# KiCad board ULK.kicad_pcb
title: ULK_ulp; date: 2025-09-11; rev: 1.0.2; company: GOGA_OO
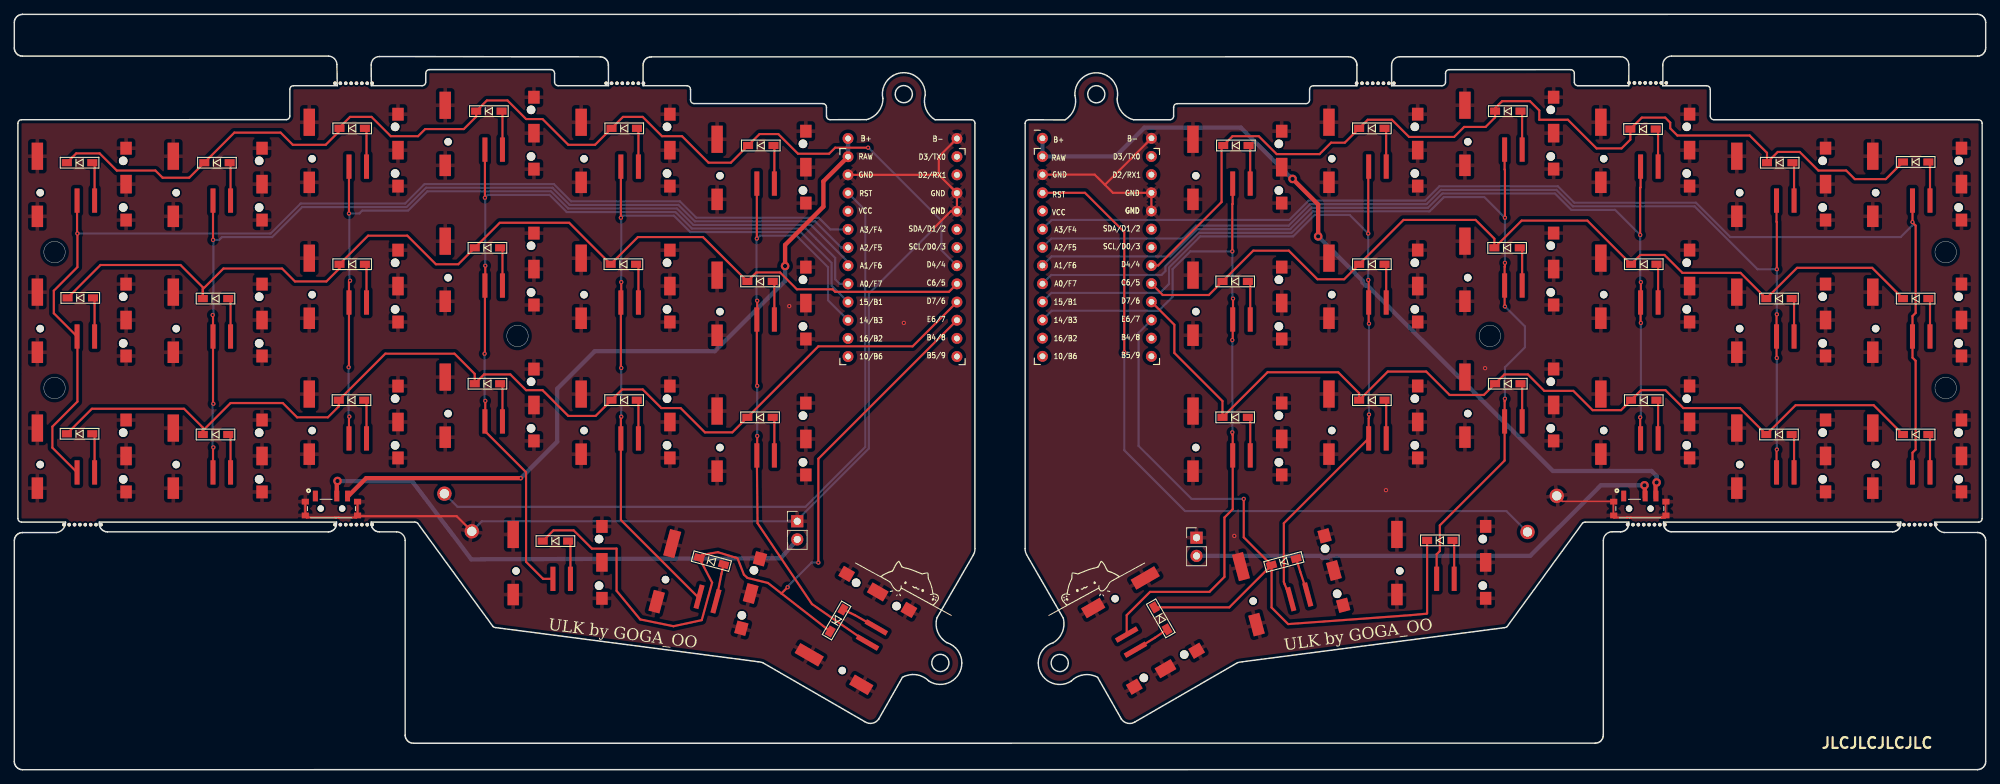
[diagram p0: board, top side]
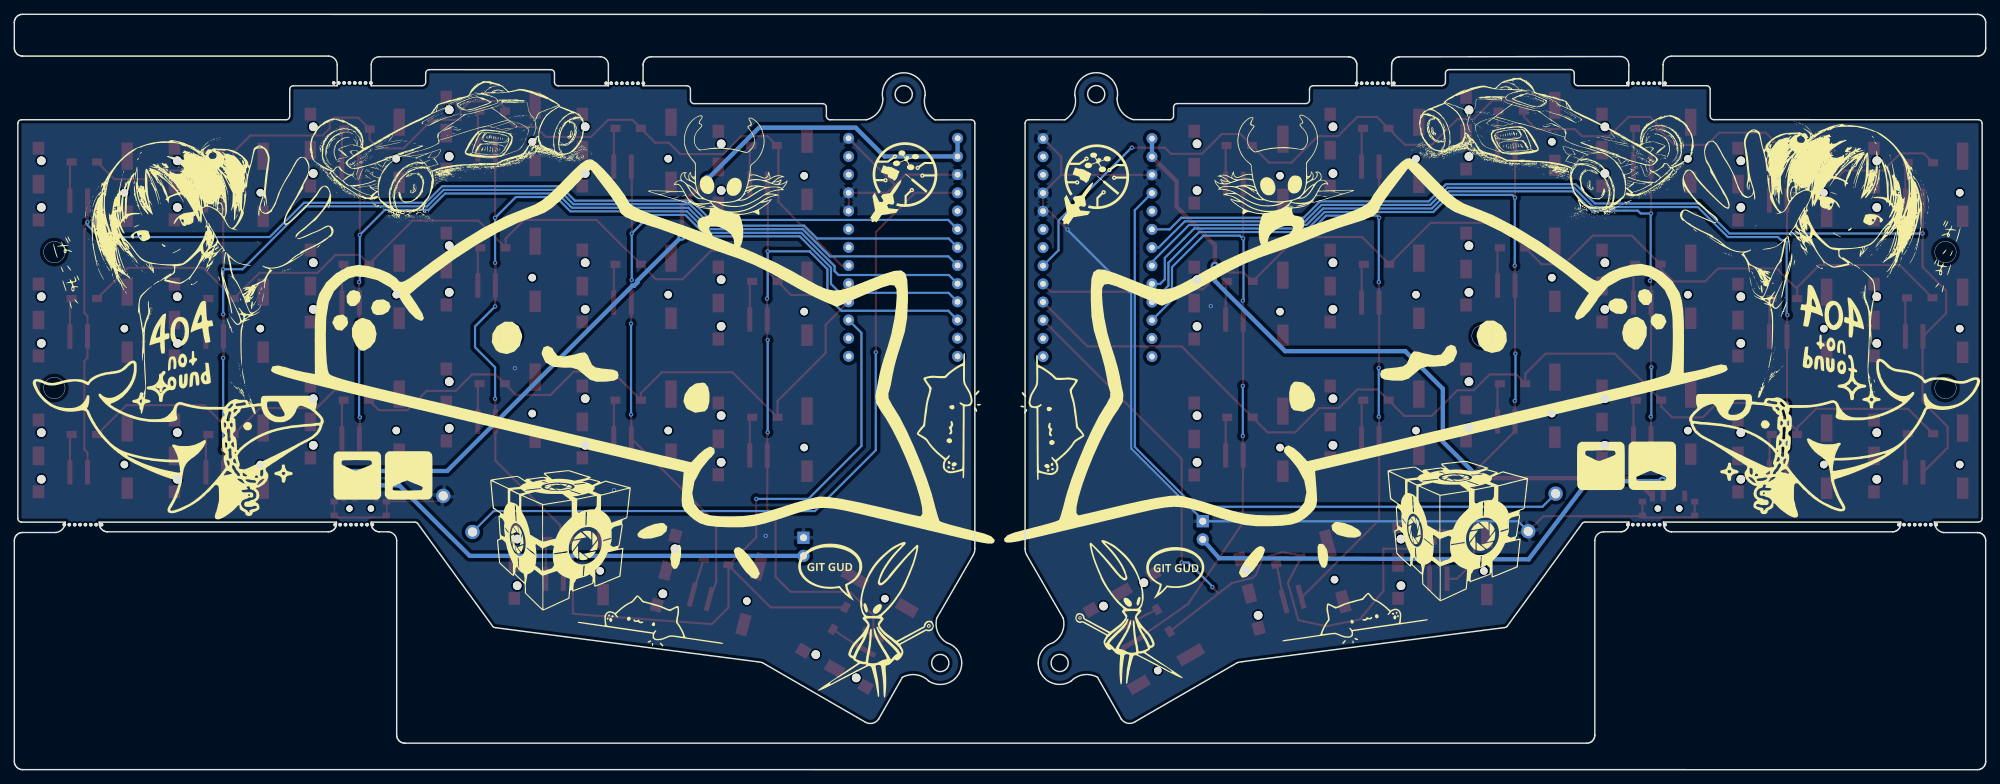
[diagram p1: board, bottom side, seen from below]

Outline 275.51 x 105.6 mm; copper layers: Top, Bottom. Coordinates in mm from the lower left corner of the outline.
Outline path: circle c5.62,72.36 r1.5 ; circle c5.62,53.36 r1.5 ; circle c70.32,60.64 r1.5 ; circle c124.31,94.44 r1.2 ; circle c129.42,14.92 r1.2 ; circle c146.1,14.91 r1.2 ; circle c151.21,94.42 r1.2 ; circle c206.22,60.64 r1.5 ; circle c269.92,72.36 r1.5 ; circle c269.92,53.36 r1.5 ; 1,34.62 arc(0.65,34.76) 0.5,35.12 0.5,90.36 arc(0.65,90.72) 1,90.86 38,90.87 arc(38.36,91.01) 38.5,91.37 38.5,95.12 arc(38.65,95.47) 39,95.61 45.13,95.61 45.08,98.56 arc(44.73,99.4) 43.89,99.75 1.14,99.75 0.92,99.77 0.7,99.84 0.51,99.94 0.34,100.08 0.19,100.25 0.09,100.45 0.02,100.66 0,100.88 0,104.45 0.02,104.67 0.09,104.88 0.19,105.08 0.33,105.25 0.5,105.39 0.7,105.5 0.91,105.56 1.13,105.59 1.14,105.59 274.37,105.6 274.59,105.57 274.8,105.51 275,105.41 275.17,105.27 275.31,105.09 275.42,104.9 275.48,104.69 275.51,104.46 275.51,100.9 275.49,100.68 275.42,100.46 275.32,100.27 275.18,100.1 275.01,99.95 274.81,99.85 274.6,99.78 274.38,99.76 231.62,99.76 arc(230.74,99.39) 230.38,98.53 ; 1,34.61 7.17,34.61 ; 7.17,34.61 arc(6.8,33.64) 5.89,33.15 1.13,33.15 0.91,33.13 0.7,33.06 0.5,32.95 0.33,32.81 0.19,32.64 0.09,32.45 0.02,32.23 0,32.01 0,1.13 0.02,0.91 0.09,0.7 0.19,0.5 0.34,0.33 0.51,0.19 0.7,0.09 0.92,0.02 1.14,0 274.37,0.01 274.38,0.01 274.6,0.03 274.81,0.1 275.01,0.2 275.18,0.34 275.32,0.52 275.42,0.71 275.49,0.93 275.51,1.15 275.51,32.03 275.48,32.25 275.42,32.46 275.31,32.66 275.17,32.83 275,32.97 274.8,33.07 274.59,33.14 274.37,33.16 269.7,33.16 arc(268.77,33.63) 268.39,34.61 ; 51.02,99.69 arc(50.19,99.35) 49.88,98.51 49.89,95.62 57,95.62 arc(57.35,95.76) 57.5,96.12 57.5,97.36 ; 55.76,3.7 55.54,3.72 55.33,3.79 55.13,3.89 54.96,4.03 54.82,4.2 54.71,4.4 54.65,4.61 54.62,4.83 54.62,32.02 arc(54.26,32.89) 53.39,33.25 51.01,33.25 50.79,33.27 50.58,33.34 50.38,33.44 50.21,33.58 50.07,33.75 49.96,33.95 49.9,34.16 49.88,34.38 49.88,34.39 49.87,34.61 56,34.61 ; 55.77,3.7 220.93,3.71 220.94,3.71 221.16,3.73 221.37,3.8 221.57,3.9 221.74,4.05 221.88,4.22 221.98,4.41 222.05,4.63 222.07,4.85 222.07,32.02 arc(222.42,32.88) 223.31,33.26 224.5,33.26 224.72,33.28 224.94,33.35 225.13,33.45 225.3,33.59 225.44,33.77 225.55,33.96 225.61,34.18 225.63,34.4 225.64,34.61 219.52,34.61 ; 56.36,34.47 66.9,20.01 ; 57.5,97.37 arc(57.65,97.72) 58,97.87 75,97.87 arc(75.36,97.72) 75.5,97.37 75.5,96.12 arc(75.65,95.76) 76,95.62 ; 67.25,19.86 103.92,15.09 ; 76,95.61 83.04,95.61 83.03,98.51 83.03,98.52 83,98.74 82.94,98.95 82.83,99.15 82.69,99.32 82.52,99.46 82.32,99.56 82.11,99.63 81.89,99.65 51.01,99.69 ; 186.49,99.65 89.01,99.65 89.01,99.65 88.78,99.63 88.57,99.56 88.38,99.46 88.21,99.31 88.06,99.14 87.96,98.95 87.9,98.73 87.88,98.51 87.88,95.62 94,95.62 ; 94,95.62 arc(94.35,95.47) 94.5,95.12 94.5,93.62 arc(94.65,93.26) 95,93.12 ; 104.58,14.97 118.87,6.7 ; 113,93.12 arc(113.35,92.97) 113.5,92.62 113.5,91.36 arc(113.65,91.01) 114,90.86 119.1,90.87 arc(120.74,91.94) 121.39,93.79 arc(121.57,95.65) 122.81,97.04 arc(125.87,97) 127.31,94.3 arc(127.41,92.34) 128.69,90.85 133.75,90.86 ; 113,93.12 95,93.12 ; 120.8,7.08 124.12,12.92 arc(126.05,13.28) 127.8,12.39 arc(130.86,12.29) 132.42,14.92 arc(131.84,16.69) 130.32,17.76 arc(129.04,19.26) 128.94,21.21 134.03,30.02 ; 133.75,90.87 arc(134.11,90.72) 134.25,90.37 134.25,30.89 ; 141.27,90.36 arc(141.41,90.71) 141.77,90.86 146.83,90.83 arc(148.11,92.33) 148.21,94.28 arc(149.65,96.98) 152.71,97.02 arc(153.95,95.63) 154.12,93.78 arc(154.78,91.93) 156.42,90.86 ; 141.27,90.36 141.27,30.88 ; 141.49,30.01 146.58,21.21 arc(146.48,19.25) 145.2,17.76 arc(143.68,16.68) 143.1,14.91 arc(144.66,12.28) 147.72,12.38 arc(149.47,13.27) 151.4,12.91 154.72,7.08 ; 156.42,90.85 161.52,90.86 arc(161.87,91) 162.02,91.36 162.02,92.61 ; 162.02,92.61 arc(162.16,92.96) 162.52,93.11 180.52,93.11 ; 170.94,14.96 156.65,6.7 ; 181.02,93.61 181.02,95.11 ; 181.52,95.61 187.64,95.61 187.63,98.52 187.63,98.53 187.61,98.75 187.54,98.96 187.44,99.16 187.3,99.33 187.12,99.47 186.93,99.57 186.72,99.64 186.49,99.66 ; 192.48,95.61 192.48,98.52 arc(192.82,99.32) 193.62,99.66 224.49,99.66 arc(225.29,99.35) 225.63,98.56 225.63,95.61 218.52,95.61 arc(218.16,95.75) 218.02,96.11 ; 192.48,95.61 199.52,95.61 arc(199.87,95.75) 200.02,96.11 ; 200.02,96.11 200.02,97.36 arc(200.16,97.71) 200.52,97.86 217.52,97.86 arc(217.87,97.71) 218.02,97.36 218.02,96.11 ; 208.27,19.86 171.6,15.09 ; 219.16,34.46 208.62,20 ; 230.38,98.52 230.39,95.61 236.52,95.61 ; 236.52,95.61 arc(236.87,95.46) 237.02,95.11 237.02,91.36 ; 237.52,90.86 274.52,90.86 ; 237.52,90.86 arc(237.17,91) 237.02,91.36 ; 274.52,34.61 268.39,34.61 ; 275.02,90.36 275.02,35.11 ; 11.88,34.39 11.88,34.38 11.9,34.16 11.96,33.95 12.07,33.75 12.21,33.58 12.38,33.44 12.58,33.34 12.79,33.27 13.01,33.25 43.89,33.25 44.12,33.27 44.33,33.34 44.52,33.45 44.69,33.59 44.83,33.76 44.94,33.95 45,34.17 45.02,34.39 45.03,34.61 11.88,34.61 11.88,34.39 ; 230.48,34.4 230.48,34.39 230.51,34.17 230.57,33.96 230.68,33.76 230.82,33.59 230.99,33.45 231.19,33.34 231.4,33.28 231.62,33.26 262.5,33.26 262.72,33.28 262.94,33.35 263.13,33.45 263.3,33.59 263.44,33.77 263.55,33.96 263.61,34.18 263.63,34.4 263.64,34.61 230.49,34.61 230.48,34.4
Stack: Top 0.035mm / dielectric 1.51mm FR4 er 4.5 / Bottom 0.035mm

## Placement (name value [footprint] x y rotation side)
D1  D  [D3_SMD_v2]  9.12 84.86 0 top
D2  D  [D3_SMD_v2]  28.32 84.86 0 top
D3  D  [D3_SMD_v2]  47.22 89.66 0 top
D4  D  [D3_SMD_v2]  66.32 92.06 0 top
D5  D  [D3_SMD_v2]  85.24 89.66 0 top
D6  D  [D3_SMD_v2]  104.32 87.26 0 top
D7  D  [D3_SMD_v2]  9.22 65.96 0 top
D8  D  [D3_SMD_v2]  28.12 65.86 0 top
D9  D  [D3_SMD_v2]  47.22 70.66 0 top
D10  D  [D3_SMD_v2]  66.12 72.96 0 top
D11  D  [D3_SMD_v2]  85.12 70.66 0 top
D12  D  [D3_SMD_v2]  104.22 68.25 0 top
D13  D  [D3_SMD_v2]  9.12 46.95 0 top
D14  D  [D3_SMD_v2]  28.12 46.86 0 top
D15  D  [D3_SMD_v2]  47.12 51.66 0 top
D16  D  [D3_SMD_v2]  66.12 53.96 0 top
D17  D  [D3_SMD_v2]  85.22 51.66 0 top
D18  D  [D3_SMD_v2]  104.22 49.26 0 top
D19  D  [D3_SMD_v2]  75.62 31.95 0 top
D20  D  [D3_SMD_v2]  97.42 29.16 345 top
D21  D  [D3_SMD_v2]  114.92 20.86 60 top
D22  D  [D3_SMD_v2]  265.72 84.96 0 top
D23  D  [D3_SMD_v2]  246.72 84.86 0 top
D24  D  [D3_SMD_v2]  227.62 89.56 0 top
D25  D  [D3_SMD_v2]  208.72 92.06 0 top
D26  D  [D3_SMD_v2]  189.72 89.66 0 top
D27  D  [D3_SMD_v2]  170.72 87.26 0 top
D28  D  [D3_SMD_v2]  265.72 65.86 0 top
D29  D  [D3_SMD_v2]  246.62 65.86 0 top
D30  D  [D3_SMD_v2]  227.72 70.66 0 top
D31  D  [D3_SMD_v2]  208.62 72.96 0 top
D32  D  [D3_SMD_v2]  189.72 70.66 0 top
D33  D  [D3_SMD_v2]  170.62 68.25 0 top
D34  D  [D3_SMD_v2]  265.72 46.86 0 top
D35  D  [D3_SMD_v2]  246.62 46.86 0 top
D36  D  [D3_SMD_v2]  227.72 51.66 0 top
D37  D  [D3_SMD_v2]  208.72 53.96 0 top
D38  D  [D3_SMD_v2]  189.72 51.66 0 top
D39  D  [D3_SMD_v2]  170.62 49.26 0 top
D40  D  [D3_SMD_v2]  199.22 32.06 0 top
D41  D  [D3_SMD_v2]  177.42 29.06 15 top
D42  D  [D3_SMD_v2]  160.22 21.16 300 top
G***  LOGO  [15mm bongo1_1]  125.22 26.31 318 top
G***#2  LOGO  [15mm bongo1]  150.3 26.3 42 top
G***#3  LOGO  [404]  250.37 69.56 180 bottom
G***#4  LOGO  [404_1]  22.68 71.81 180 bottom
G***#5  LOGO  [b17_1]  130.22 48.7 283 bottom
G***#6  LOGO  [100b]  189.1 58.07 180 bottom
G***#7  LOGO  [cube31]  73.42 33.45 180 bottom
G***#8  LOGO  [cube31]  198.82 32.16 180 bottom
G***#9  LOGO  [logog]  150.82 82.02 180 bottom
G***#10  LOGO  [logog]  124.02 81.72 180 bottom
G***#11  LOGO  [20mm bongo1_1]  87.96 21.41 185 bottom
G***#12  LOGO  [b17]  145.12 48.95 77 bottom
G***#13  LOGO  [w41]  21.27 46.06 180 bottom
G***#14  LOGO  [20mm bongo1]  186.77 21.06 175 bottom
G***#15  LOGO  [tm54_1]  59.82 86.31 180 bottom
G***#16  LOGO  [block18]  223.97 41.11 180 bottom
G***#17  LOGO  [tm54]  212.79 85.85 180 bottom
G***#18  LOGO  [h33]  98.27 82.5 180 bottom
G***#19  LOGO  [23g]  119.06 22.58 180 bottom
G***#20  LOGO  [g23m]  156.37 20.91 180 bottom
G***#21  LOGO  [100b_1]  86.59 58.22 180 bottom
G***#22  LOGO  [h33_1]  177.48 82.43 180 bottom
G***#23  LOGO  [block18]  50.17 42.45 180 bottom
G***#24  LOGO  [w41_1]  253.12 45.81 180 bottom
mouse-bite-2mm-slot  VAL**  [mouse-bite-2mm-slot]  9.22 34.26 0 top
mouse-bite-2mm-slot#2  VAL**  [mouse-bite-2mm-slot]  265.62 34.26 0 top
mouse-bite-2mm-slot#3  VAL**  [mouse-bite-2mm-slot]  47.12 34.26 0 top
mouse-bite-2mm-slot#4  VAL**  [mouse-bite-2mm-slot]  227.77 34.26 0 top
mouse-bite-2mm-slot#5  VAL**  [mouse-bite-2mm-slot]  189.9 95.96 0 top
mouse-bite-2mm-slot#6  VAL**  [mouse-bite-2mm-slot]  227.97 96.01 0 top
mouse-bite-2mm-slot#7  VAL**  [mouse-bite-2mm-slot]  85.02 95.96 0 top
mouse-bite-2mm-slot#8  VAL**  [mouse-bite-2mm-slot]  47.12 95.96 0 top
RSW1  SW_RESET  [ResetSW_1side]  62.02 35.95 126 top
RSW2  SW_RESET  [ResetSW_1side]  213.52 35.76 231 top
SW1  SW_PUSH  [Cherry_ULP_SMD]  9.42 81.86 0 top
SW2  SW_PUSH  [Cherry_ULP_SMD]  28.42 81.86 0 top
SW3  SW_PUSH  [Cherry_ULP_SMD]  47.42 86.61 0 top
SW4  SW_PUSH  [Cherry_ULP_SMD]  66.42 88.98 0 top
SW5  SW_PUSH  [Cherry_ULP_SMD]  85.42 86.61 0 top
SW6  SW_PUSH  [Cherry_ULP_SMD]  104.42 84.23 0 top
SW7  SW_PUSH  [Cherry_ULP_SMD]  9.42 62.86 0 top
SW8  SW_PUSH  [Cherry_ULP_SMD]  28.42 62.86 0 top
SW9  SW_PUSH  [Cherry_ULP_SMD]  47.42 67.61 0 top
SW10  SW_PUSH  [Cherry_ULP_SMD]  66.42 69.98 0 top
SW11  SW_PUSH  [Cherry_ULP_SMD]  85.42 67.61 0 top
SW12  SW_PUSH  [Cherry_ULP_SMD]  104.42 65.23 0 top
SW13  SW_PUSH  [Cherry_ULP_SMD]  9.42 43.86 0 top
SW14  SW_PUSH  [Cherry_ULP_SMD]  28.42 43.86 0 top
SW15  SW_PUSH  [Cherry_ULP_SMD]  47.42 48.61 0 top
SW16  SW_PUSH  [Cherry_ULP_SMD]  66.42 50.98 0 top
SW17  SW_PUSH  [Cherry_ULP_SMD]  85.42 48.61 0 top
SW18  SW_PUSH  [Cherry_ULP_SMD]  104.42 46.23 0 top
SW19  SW_PUSH  [Cherry_ULP_SMD]  75.92 28.98 0 top
SW20  SW_PUSH  [Cherry_ULP_SMD]  96.92 26.23 345 top
SW21  SW_PUSH  [Cherry_ULP_SMD]  117.57 19.48 60 top
SW22  SW_PUSH  [Cherry_ULP_SMD]  265.93 81.86 0 top
SW23  SW_PUSH  [Cherry_ULP_SMD]  246.93 81.86 0 top
SW24  SW_PUSH  [Cherry_ULP_SMD]  227.93 86.61 0 top
SW25  SW_PUSH  [Cherry_ULP_SMD]  208.93 88.99 0 top
SW26  SW_PUSH  [Cherry_ULP_SMD]  189.93 86.61 0 top
SW27  SW_PUSH  [Cherry_ULP_SMD]  170.92 84.23 0 top
SW28  SW_PUSH  [Cherry_ULP_SMD]  265.93 62.86 0 top
SW29  SW_PUSH  [Cherry_ULP_SMD]  246.93 62.86 0 top
SW30  SW_PUSH  [Cherry_ULP_SMD]  227.93 67.61 0 top
SW31  SW_PUSH  [Cherry_ULP_SMD]  208.93 69.99 0 top
SW32  SW_PUSH  [Cherry_ULP_SMD]  189.93 67.61 0 top
SW33  SW_PUSH  [Cherry_ULP_SMD]  170.93 65.24 0 top
SW34  SW_PUSH  [Cherry_ULP_SMD]  265.93 43.86 0 top
SW35  SW_PUSH  [Cherry_ULP_SMD]  246.93 43.86 0 top
SW36  SW_PUSH  [Cherry_ULP_SMD]  227.93 48.61 0 top
SW37  SW_PUSH  [Cherry_ULP_SMD]  208.93 50.98 0 top
SW38  SW_PUSH  [Cherry_ULP_SMD]  189.93 48.61 0 top
SW39  SW_PUSH  [Cherry_ULP_SMD]  170.93 46.23 0 top
SW40  SW_PUSH  [Cherry_ULP_SMD]  199.43 28.98 0 top
SW41  SW_PUSH  [Cherry_ULP_SMD]  178.43 26.23 15 top
SW42  SW_PUSH  [Cherry_ULP_SMD]  157.78 19.48 300 top
SW43  PCM12SMTR  [SW_PCM12SMTR]  44.32 36.51 0 top
SW44  PCM12SMTR  [SW_PCM12SMTR]  227.17 36.51 0 top
U1  ProMicro  [ProMicro_v3]  124.12 71.22 0 top
U2  ProMicro  [ProMicro_v3]  151.3 71.25 0 top
U3  ~  [PinHeader_1x02_P2.54mm_Vertical]  109.42 34.73 0 top
U5  ~  [PinHeader_1x02_P2.54mm_Vertical]  165.22 32.43 0 top

## Library data of the parts
D1-D42 = -: ki_fp_filters: TO-???* *_Diode_* *SingleDiode* D_*
SW43 SW44 = -: MF: C&K; Description_1: Switch,Slide,Ultra-Mini,SPDT,ON-ON,300mA,6VDC,Surface Mount,R/A,Gull Wing | C&K PCM12SMTR; Package: None; Price: None; Check_prices: https://www.snapeda.com/parts/PCM12SMTR/C%2526K/view-part/?ref=eda; STANDARD: Manufacturer Recommendation; SnapEDA_Link: https://www.snapeda.com/parts/PCM12SMTR/C%2526K/view-part/?ref=snap; Availability: In Stock; MANUFACTURER: C&K

## Footprints (pads in the part's own frame, mm; a bottom-side part is the same pattern mirrored in y, then rotated)
Cherry_ULP_SMD
  round 1.05 hole 1.05 unplated: (-5.8,-1.2)
  round 1.2 hole 1.2 unplated: (5.8,3.26) (5.8,-3.26)
  rect 0.7x3.4 smd: 1(-0.65,-2.3) 2(1.8,-2.3)
  rect 1.6x3.8 smd: 3(-6.2,3.9)
  rect 1.6x3 smd: 3(-6.2,-4.5)
  rect 1.6x1.8 smd: 3(6.2,5.025) 3(6.2,-5.025)
  rect 1.6x2.6 smd: 3(6.2,0)
D3_SMD_v2
  rect 1.4x1 smd: 1(-1.775,0) 2(1.775,0)
mouse-bite-2mm-slot
  round 0.5 hole 0.5 unplated: (-2.3,0) (-1.55,0) (-0.8,0) (-0.05,0) (0.7,0) (1.45,0) (2.2,0) (2.9,0)
PinHeader_1x02_P2.54mm_Vertical
  rect 1.7x1.7 hole 1: 1(0,0)
  round 1.7 hole 1: 2(0,-2.54)
ProMicro_v3
  round 1.524 hole 0.813: 1(7.611,14.478) 2(7.611,11.938) 3(7.611,17.018) 3(7.611,9.398) 4(7.611,6.858) 5(7.611,4.318) 6(7.611,1.778) 7(7.611,-0.762) 8(7.611,-3.302) 9(7.611,-5.842) 10(7.611,-8.382) 11(7.611,-10.922) 12(7.611,-13.462) 13(-7.609,-13.462) 14(-7.609,-10.922) 15(-7.609,-8.382) 16(-7.609,-5.842) 17(-7.609,-3.302) 18(-7.609,-0.762) 19(-7.609,1.778) 20(-7.609,4.318) 21(-7.609,6.858) 22(-7.609,9.398) 23(-7.609,11.938) 24(-7.609,17.018) 24(-7.609,14.478)
ResetSW_1side
  round 2 hole 1.3: 1(3.25,0) 2(-3.25,0)
SW_PCM12SMTR
  round 0.9 hole 0.9 unplated: (-1.5,0) (1.5,0)
  rect 0.7x1.5 smd: 1(-2.25,1.75) 2(0.75,1.75) 3(2.25,1.75)
  rect 1x0.8 smd: S1(-3.65,0.965) S2(-3.65,-0.965) S3(3.65,-0.965) S4(3.65,0.965)

## Nets
1V5: SW44.3 U2.24
+1V5: SW43.3 U1.24
GND: RSW1.2 SW1.3 SW2.3 SW3.3 SW4.3 SW5.3 SW6.3 SW7.3 SW8.3 SW9.3 SW10.3 SW11.3 SW12.3 SW13.3 SW14.3 SW15.3 SW16.3 SW17.3 SW18.3 SW19.3 SW20.3 SW21.3 SW43.S1 SW43.S2 SW43.S3 SW43.S4 U1.3 U1.4 U1.23 U3.1
GNDA: RSW2.2 SW22.3 SW23.3 SW24.3 SW25.3 SW26.3 SW27.3 SW28.3 SW29.3 SW30.3 SW31.3 SW32.3 SW33.3 SW34.3 SW35.3 SW36.3 SW37.3 SW38.3 SW39.3 SW40.3 SW41.3 SW42.3 SW44.S1 SW44.S2 SW44.S3 SW44.S4 U2.3 U2.4 U2.23 U5.1
VCC: U1.21
VDD: U2.21
col0: SW1.1 SW7.1 SW13.1 U1.20
col0_r: SW22.1 SW28.1 SW34.1 U2.20
col1: SW2.1 SW8.1 SW14.1 U1.19
col1_r: SW23.1 SW29.1 SW35.1 U2.19
col2: SW3.1 SW9.1 SW15.1 U1.18
col2_r: SW24.1 SW30.1 SW36.1 U2.18
col3: SW4.1 SW10.1 SW16.1 SW19.1 U1.17
col3_r: SW25.1 SW31.1 SW37.1 SW40.1 U2.17
col4: SW5.1 SW11.1 SW17.1 SW20.1 U1.16
col4_r: SW26.1 SW32.1 SW38.1 SW41.1 U2.16
col5: SW6.1 SW12.1 SW18.1 SW21.1 U1.15
col5_r: SW27.1 SW33.1 SW39.1 SW42.1 U2.15
reset: RSW1.1 U1.22
reset_r: RSW2.1 U2.22
row0: D1.1 D2.1 D3.1 D4.1 D5.1 D6.1 U1.7
row0_r: D22.1 D23.1 D24.1 D25.1 D26.1 D27.1 U2.7
row1: D7.1 D8.1 D9.1 D10.1 D11.1 D12.1 U1.8
row1_r: D28.1 D29.1 D30.1 D31.1 D32.1 D33.1 U2.8
row2: D13.1 D14.1 D15.1 D16.1 D17.1 D18.1 U1.9
row2_r: D34.1 D35.1 D36.1 D37.1 D38.1 D39.1 U2.9
row3: D19.1 D20.1 D21.1 U1.10
row3_r: D40.1 D41.1 D42.1 U2.10
SCL: U1.6
SCL_r: U2.6
SDA: U1.5
SDA_r: U2.5
Net-(D1-A): D1.2 SW1.2
Net-(D2-A): D2.2 SW2.2
Net-(D3-A): D3.2 SW3.2
Net-(D4-A): D4.2 SW4.2
Net-(D5-A): D5.2 SW5.2
Net-(D6-A): D6.2 SW6.2
Net-(D7-A): D7.2 SW7.2
Net-(D8-A): D8.2 SW8.2
Net-(D9-A): D9.2 SW9.2
Net-(D10-A): D10.2 SW10.2
Net-(D11-A): D11.2 SW11.2
Net-(D12-A): D12.2 SW12.2
Net-(D13-A): D13.2 SW13.2
Net-(D14-A): D14.2 SW14.2
Net-(D15-A): D15.2 SW15.2
Net-(D16-A): D16.2 SW16.2
Net-(D17-A): D17.2 SW17.2
Net-(D18-A): D18.2 SW18.2
Net-(D19-A): D19.2 SW19.2
Net-(D20-A): D20.2 SW20.2
Net-(D21-A): D21.2 SW21.2
Net-(D22-A): D22.2 SW22.2
Net-(D23-A): D23.2 SW23.2
Net-(D24-A): D24.2 SW24.2
Net-(D25-A): D25.2 SW25.2
Net-(D26-A): D26.2 SW26.2
Net-(D27-A): D27.2 SW27.2
Net-(D28-A): D28.2 SW28.2
Net-(D29-A): D29.2 SW29.2
Net-(D30-A): D30.2 SW30.2
Net-(D31-A): D31.2 SW31.2
Net-(D32-A): D32.2 SW32.2
Net-(D33-A): D33.2 SW33.2
Net-(D34-A): D34.2 SW34.2
Net-(D35-A): D35.2 SW35.2
Net-(D36-A): D36.2 SW36.2
Net-(D37-A): D37.2 SW37.2
Net-(D38-A): D38.2 SW38.2
Net-(D39-A): D39.2 SW39.2
Net-(D40-A): D40.2 SW40.2
Net-(D41-A): D41.2 SW41.2
Net-(D42-A): D42.2 SW42.2
Net-(U3-+): SW43.2 U3.2
Net-(U5-+): SW44.2 U5.2

Pads without a net: SW43 1; SW44 1; U1 1 2 11 12 13 14; U2 1 2 11 12 13 14

## Via types
v1: diameter 0.6, hole 0.3, Top to Bottom, 54 vias
v2: diameter 1.2, hole 0.6, Top to Bottom, 6 vias

## Routing (per net, layer and track width the routed paths; a pad name or vN(x,y) marks a point on that pad's centre or on a via; arc(x,y) is an arc through that point)
1V5: length 116
  Top w0.6: 229.37,38.06 229.37,40.01 v2(229.52,40.16) ; v2(182.22,74.56) 182.22,79 v2(178.64,82.58)
  Bottom w0.3: 143.69,88.25 U2.24
  Bottom w0.6: 143.69,88.25 U2.24 153.89,85.72 157.92,89.76 171.42,89.76 178.59,82.58 v2(178.64,82.58) ; v2(182.22,74.56) 188.42,68.36 188.42,68.12 188.89,67.65 189.12,67.65 215.02,41.76 228.82,41.76 229.52,41.06 v2(229.52,40.16)
+1V5: length 101.5
  Top w0.6: v2(107.72,70.41) 107.72,73.36 113.07,78.71 113.07,82.25 U1.24 ; v1(70.77,40.76) 49.17,40.76 46.57,38.16
  Bottom w0.6: v2(107.72,70.41) 107.72,68.32 97.9,58.51 81.12,58.51 75.87,53.26 75.87,45.86 v1(70.77,40.76) ; U1.24 U1.24
GND: length 152.6
  Top w0.3: 129.2,83.15 129.2,85.69 U1.3 ; 129.2,83.15 U1.3 U1.4 130.89,78.07 v1(128.32,75.5) ; 129.2,83.15 U1.23 ; 47.97,35.44 47.78,35.26 45.32,35.26 45.31,35.26 45.31,35.26 45.3,35.27 45.04,35.27 44.77,35.27 44.77,35.27 40.84,35.27 40.67,35.44 40.67,37.37 ; 47.97,35.44 47.97,37.37 ; 47.97,35.44 61.82,35.44 RSW1.2
  Bottom w0.3: v1(128.32,75.5) 128.32,75.46 119.42,66.56 119.42,44.9 109.95,35.43 109.42,35.43 U3.1 65.33,34.73 RSW1.2
  vias: v1(108.3,64.81) v1(124.32,62.46)
GNDA: length 47.7
  Top w0.2: 152.42,81.76 152.42,81.75 ; RSW2.2 216.34,37.51 223.47,37.51 223.47,35.34 ; 230.77,35.34 230.77,37.27
  Top w0.3: U2.3 152.42,81.76 ; U2.4 U2.3 153.53,80.64 150.99,83.18 U2.23 ; 223.47,35.34 223.55,35.26 225.38,35.26 225.39,35.27 225.65,35.26 225.91,35.26 225.91,35.26 230.22,35.26 230.22,35.26 230.23,35.26 230.24,35.27 230.5,35.26 230.69,35.26 230.77,35.34
  vias: v1(170.5,32.68) v1(191.69,39.08) v1(205.54,56.13)
col0: length 156.8
  Top w0.3: SW1.1 8.77,75 v1(8.82,74.96) 8.82,70.25 5.52,66.96 5.52,63.81 SW7.1 8.82,60.51 8.82,51.45 5.32,47.95 5.32,45.01 SW13.1
  Bottom w0.3: U1.20 114.04,75.53 112.42,77.16 95.32,77.16 93.02,79.46 77.82,79.46 75.42,81.86 57.32,81.86 54.62,79.16 40.02,79.16 35.82,74.96 v1(8.82,74.96)
col0_r: length 166.9
  Top w0.3: 265.28,79.56 v1(265.28,76.56) 265.28,76.5 265.72,76.06 265.72,63.86 265.28,63.41 265.28,57.6 265.72,57.16 265.72,44.76 265.28,44.31 SW34.1
  Bottom w0.3: v1(265.28,76.56) 265.28,76.11 263.62,74.46 239.83,74.46 235.03,79.25 218.02,79.25 215.72,81.56 199.17,81.56 197.17,79.56 180.89,79.56 178.19,76.86 144.98,76.86 U2.20
col1: length 133.4
  Top w0.3: v1(27.82,45.06) 27.77,45.01 SW14.1 ; v1(27.77,74.06) SW2.1 ; v1(27.72,63.56) 27.77,63.51 SW8.1 27.77,51.2 v1(27.82,51.16)
  Bottom w0.3: v1(27.82,51.16) 27.72,51.06 27.72,45.16 v1(27.82,45.06) ; v1(27.72,63.56) 27.82,63.66 27.82,74 v1(27.77,74.06) 28.62,74.06 29.02,74.45 36.03,74.45 40.23,78.65 54.83,78.65 57.53,81.35 75.21,81.35 77.61,78.95 92.81,78.95 95.11,76.66 111.91,76.66 115.57,72.99 U1.19
col1_r: length 148.6
  Top w0.3: v1(246.32,63.66) 246.28,63.61 246.28,57.6 v1(246.32,57.56) ; v1(246.32,69.96) 246.32,76.56 246.28,76.6 246.28,79.56 ; SW35.1 246.28,44.71 v1(246.32,44.76)
  Bottom w0.3: v1(246.32,57.56) v1(246.32,44.76) ; U2.19 144.92,74.25 163.31,74.25 165.11,76.06 178.1,76.06 181.09,79.05 197.37,79.05 199.37,81.05 215.51,81.05 217.81,78.75 234.82,78.75 243.62,69.96 v1(246.32,69.96) v1(246.32,63.66)
col2: length 113.8
  Top w0.3: SW15.1 46.77,49.31 v1(46.82,49.36) ; v1(46.77,77.75) SW3.1 ; v1(46.92,68.36) 46.77,68.21 SW9.1 46.77,56.31 v1(46.72,56.26)
  Bottom w0.3: v1(46.82,49.36) 46.72,49.45 v1(46.72,56.26) ; v1(46.92,68.36) 46.82,68.46 46.82,77.71 v1(46.77,77.75) 48.22,77.75 48.62,78.15 55.04,78.15 57.74,80.85 75,80.85 77.4,78.45 92.6,78.45 94.9,76.15 111.32,76.15 116.52,70.96 U1.18
col2_r: length 128.3
  Top w0.3: v1(227.22,49.26) 227.22,46.37 SW36.1 ; v1(227.32,68.16) 227.32,65.35 SW30.1 227.28,62.5 v1(227.32,62.46) ; v1(227.22,74.75) 227.22,81.34 227.28,81.4 SW24.1
  Bottom w0.3: v1(227.22,49.26) 227.32,49.36 v1(227.32,62.46) ; v1(227.32,68.16) 227.22,68.25 v1(227.22,74.75) 223.72,78.25 217.6,78.25 215.3,80.55 199.58,80.55 197.58,78.55 181.3,78.55 178.3,75.56 165.32,75.56 161.52,71.75 144.96,71.75 U2.18
col3: length 122.7
  Top w0.3: v1(65.77,79.96) SW4.1 ; v1(65.82,70.46) 65.82,67.73 SW10.1 65.77,58.21 v1(65.72,58.16) ; v1(65.82,51.56) 65.82,48.73 SW16.1 65.77,47.33 71.52,41.58 71.52,29.06 73.89,26.68 SW19.1
  Bottom w0.3: v1(65.82,70.46) 65.82,79.91 v1(65.77,79.96) 66.17,80.35 74.8,80.35 77.2,77.95 92.4,77.95 94.7,75.65 110.61,75.65 112.02,74.25 112.02,74.24 114.72,71.54 114.72,68.56 115.36,67.91 U1.17 ; v1(65.72,58.16) 65.72,51.66 v1(65.82,51.56)
col3_r: length 137.6
  Top w0.3: SW25.1 208.28,83.9 208.32,83.86 v1(208.32,77.16) ; v1(208.32,70.86) 208.32,70.36 208.28,70.31 SW31.1 208.28,64.8 v1(208.32,64.75) ; v1(208.32,51.86) 208.32,51.56 208.28,51.51 SW37.1 208.28,43.21 199.22,34.16 199.22,30.56 198.78,30.11 SW40.1
  Bottom w0.3: v1(208.32,70.86) v1(208.32,77.16) 205.42,80.05 199.79,80.05 197.79,78.05 181.51,78.05 178.51,75.06 165.53,75.06 160.87,70.4 160.87,69.71 160.32,69.16 144.9,69.16 U2.17 ; v1(208.32,51.86) 208.32,56.26 211.12,59.06 211.12,61.96 v1(208.32,64.75)
col4: length 103.6
  Top w0.3: v1(84.82,56.16) 84.77,56.21 SW11.1 84.82,65.36 v1(84.82,68.16) ; v1(84.77,77.16) SW5.1 ; v1(84.82,49.36) 84.82,49.16 84.77,49.11 SW17.1 84.77,34.91 95.5,24.18 SW20.1
  Bottom w0.3: v1(84.82,68.16) 84.82,77.11 v1(84.77,77.16) 85.07,77.45 92.19,77.45 94.49,75.15 109.92,75.15 114.22,70.86 114.22,67.67 U1.16 ; v1(84.82,49.36) v1(84.82,56.16)
col4_r: length 118.6
  Top w0.3: SW41.1 177.52,25.95 177.42,26.26 177.42,34.45 SW38.1 189.28,49.11 189.32,49.16 v1(189.32,49.66) ; v1(189.32,62.36) 189.28,62.4 SW32.1 189.28,68.4 v1(189.22,68.46) ; v1(189.22,74.96) 189.22,84.25 SW26.1
  Bottom w0.3: v1(189.32,62.36) v1(189.32,49.66) ; U2.16 144.94,66.66 160.12,66.66 161.37,67.91 161.37,70.19 165.74,74.56 178.72,74.56 181.72,77.55 186.62,77.55 v1(189.22,74.96) v1(189.22,68.46)
col5: length 91.2
  Top w0.3: v1(103.82,46.66) 103.82,43.98 SW18.1 103.87,34.45 111.47,23.16 SW21.1 ; v1(103.82,65.56) 103.82,62.98 SW12.1 103.77,53.71 v1(103.82,53.66) ; v1(103.77,74.25) SW6.1
  Bottom w0.3: U1.15 113.72,65.63 113.72,67.46 113.72,67.46 113.72,70.25 109.32,74.65 104.22,74.65 103.82,74.25 v1(103.77,74.25) 103.72,74.21 103.72,65.66 v1(103.82,65.56) ; v1(103.82,53.66) v1(103.82,46.66)
col5_r: length 106.9
  Top w0.3: SW42.1 155.46,21.6 158.72,24.86 167.02,24.86 169.12,26.95 169.12,35.26 170.28,36.41 SW39.1 170.28,46.8 170.22,46.86 v1(170.22,47.16) ; v1(170.22,60.06) 170.28,60.11 SW33.1 170.32,62.98 v1(170.32,65.86) ; SW27.1 170.27,79.11 170.22,79.06 v1(170.22,72.46)
  Bottom w0.3: U2.15 144.98,64.16 159.92,64.16 161.88,66.11 161.88,69.98 164.35,72.46 v1(170.22,72.46) 170.22,65.96 v1(170.32,65.86) ; v1(170.22,60.06) v1(170.22,47.16)
reset: length 99.5
  Bottom w0.3: RSW1.1 61.94,36.76 110.57,36.76 118.92,45.11 118.92,78.21 U1.22
reset_r: length 105.3
  Top w0.3: U2.22 149.63,80.64 155.12,75.16 v1(155.12,58.36)
  Bottom w0.3: v1(155.12,58.36) 155.12,44.66 163.62,36.16 208.52,36.16 211.45,33.23 RSW2.1
row0: length 154.4
  Top w0.3: v1(119.32,86.96) 114.72,86.96 113.87,86.11 109.52,86.11 106.77,88.86 104.14,88.86 D6.1 100.14,84.86 97.02,84.86 93.32,88.56 90.52,88.56 87.82,91.26 85.06,91.26 D5.1 81.17,87.36 77.42,87.36 73.82,90.96 71.52,90.96 68.92,93.56 66.05,93.56 D4.1 64.55,91.28 62.82,89.56 57.42,89.56 56.42,88.56 52.62,88.56 49.92,91.26 46.92,91.26 45.45,89.78 D3.1 45.45,89.28 43.52,87.36 38.92,87.36 37.22,89.06 30.74,89.06 D2.1 24.45,82.75 20.72,82.75 19.72,83.75 14.32,83.75 11.92,86.16 8.64,86.16 D1.1
  Bottom w0.3: v1(119.32,86.96) 119.37,86.96 129.57,76.75 129.57,72.62 U1.7
row0_r: length 137.1
  Top w0.3: D22.1 261.55,82.56 257.22,82.56 256.02,83.75 252.12,83.75 249.52,86.36 246.44,86.36 D23.1 244.94,86.23 242.52,88.66 232.42,88.66 231.42,89.66 231.42,90.46 230.72,91.16 227.44,91.16 D24.1 225.84,88.08 224.62,86.86 221.12,86.86 217.12,90.86 213.12,90.86 213.12,92.16 211.82,93.46 207.92,93.46 206.94,92.48 D25.1 206.94,91.18 205.62,89.86 202.62,89.86 201.22,88.46 194.92,88.46 192.52,90.86 189.15,90.86 D26.1 185.94,87.66 184.02,87.66 182.42,86.06 176.42,86.06 173.92,88.56 170.25,88.56 D27.1 168.72,87.03 168.72,79.36 159.85,70.48 U2.7
row1: length 148
  Top w0.3: U1.8 130.62,66.8 114.72,66.8 114.37,67.16 109.37,67.16 107.02,69.5 103.69,69.5 D12.1 96.25,74.46 87.14,74.46 D11.1 77.55,76.46 67.84,76.46 D10.1 62.05,70.66 58.92,70.66 54.92,74.66 49.45,74.66 D9.1 45.45,70.08 43.62,68.25 39.22,68.25 37.42,70.06 29.22,70.06 26.34,67.18 D8.1 26.34,67.43 23.22,70.56 12.05,70.56 D7.1
row1_r: length 126.4
  Top w0.3: D28.1 259.64,70.16 249.14,70.16 D29.1 241.25,69.46 233.12,69.46 230.62,71.96 227.25,71.96 D30.1 219.84,76.75 210.65,76.75 D31.1 206.84,74.23 204.22,76.86 194.15,76.86 D32.1 185.84,68.56 182.12,68.56 178.12,72.56 173.15,72.56 D33.1 166.94,66.36 160.5,66.36 U2.8
row2: length 152.1
  Top w0.3: D13.1 10.84,50.45 23.72,50.45 26.34,47.83 D14.1 26.34,47.38 30.22,51.26 37.52,51.26 39.52,49.26 43.82,49.26 45.34,50.78 D15.1 51.84,58.16 61.52,58.16 64.34,55.33 D16.1 65.64,55.26 69.32,55.26 71.52,53.06 73.82,53.06 77.42,49.45 81.25,49.45 D17.1 84.94,53.16 87.82,53.16 90.42,50.56 93.12,50.56 96.52,47.16 100.34,47.16 D18.1 112.37,59.18 125.54,59.18 U1.9
row2_r: length 133.6
  Top w0.3: D34.1 259.85,50.95 248.94,50.95 D35.1 241.15,50.56 233.25,50.56 230.75,53.06 227.34,53.06 D36.1 224.55,50.26 220.58,50.26 217.88,52.95 213.82,52.95 211.52,55.26 208.25,55.26 D37.1 205.37,52.38 200.59,52.38 197.32,55.66 191.94,55.66 D38.1 187.94,52.63 185.02,55.56 175.15,55.56 D39.1 168.84,51.53 162.12,58.26 162.12,62.19 U2.9
row3: length 113
  Top w0.3: D21.1 107.2,24.64 ; 107.2,24.64 v1(108.07,25.51) ; 107.2,24.64 105.32,26.11 102.47,26.81 101.97,27.26 101.07,29.56 98.32,30.41 96.11,30.02 D20.1 97.52,26.16 96.07,20.91 92.12,20.06 87.47,21.01 84.17,25.01 84.17,30.91 80.72,30.91 78.17,33.45 75.34,33.45 D19.1 ; v1(112.37,28.95) 112.37,43.47 U1.10
  Bottom w0.3: v1(108.07,25.51) 108.07,25.61 111.42,28.95 v1(112.37,28.95)
row3_r: length 104.7
  Top w0.3: v1(171.82,37.86) 171.82,32.48 D41.1 ; D40.1 197.44,21.88 197.37,21.81 195.17,21.61 178.02,20.36 175.71,22.67 D41.1 ; D41.1 169.8,22.69 D42.1
  Bottom w0.3: U2.10 157.12,61.07 157.12,45.26 164.52,37.86 v1(171.82,37.86)
Net-(D1-A): length 5.4
  Top w0.3: D1.2 11.22,84.53 SW1.2
Net-(D2-A): length 5.4
  Top w0.3: SW2.2 30.22,84.73 D2.2
Net-(D3-A): length 5.4
  Top w0.3: D3.2 49.22,89.43 SW3.2
Net-(D4-A): length 5.4
  Top w0.3: D4.2 68.22,91.93 SW4.2
Net-(D5-A): length 5.4
  Top w0.3: SW5.2 87.22,89.45 D5.2
Net-(D6-A): length 5.4
  Top w0.3: SW6.2 106.22,87.13 D6.2
Net-(D7-A): length 5.5
  Top w0.3: SW7.2 11.22,65.73 D7.2
Net-(D8-A): length 5.4
  Top w0.3: D8.2 30.22,65.53 SW8.2
Net-(D9-A): length 5.4
  Top w0.3: SW9.2 49.22,70.43 D9.2
Net-(D10-A): length 5.4
  Top w0.3: SW10.2 68.22,72.63 D10.2
Net-(D11-A): length 5.5
  Top w0.3: SW11.2 87.22,70.33 D11.2
Net-(D12-A): length 5.4
  Top w0.3: SW12.2 106.22,68.03 D12.2
Net-(D13-A): length 5.5
  Top w0.3: SW13.2 11.22,46.63 D13.2
Net-(D14-A): length 5.4
  Top w0.3: SW14.2 30.22,46.53 D14.2
Net-(D15-A): length 5.5
  Top w0.3: D15.2 49.22,51.33 SW15.2
Net-(D16-A): length 5.4
  Top w0.3: SW16.2 68.22,53.63 D16.2
Net-(D17-A): length 5.4
  Top w0.3: D17.2 87.22,51.43 SW17.2
Net-(D18-A): length 5.4
  Top w0.3: SW18.2 106.22,49.03 D18.2
Net-(D19-A): length 5.4
  Top w0.3: SW19.2 77.72,31.63 D19.2
Net-(D20-A): length 5.3
  Top w0.3: SW20.2 98.82,27.36 D20.2
Net-(D21-A): length 5.3
  Top w0.3: SW21.2 117.47,21.61 D21.2
Net-(D22-A): length 5.5
  Top w0.3: 267.73,79.56 267.73,84.72 D22.2
Net-(D23-A): length 5.4
  Top w0.3: 248.73,79.56 248.73,84.62 D23.2
Net-(D24-A): length 5.4
  Top w0.3: D24.2 229.72,89.23 229.72,84.32 SW24.2
Net-(D25-A): length 5.5
  Top w0.3: D25.2 210.72,91.83 210.72,86.69 SW25.2
Net-(D26-A): length 5.4
  Top w0.3: SW26.2 191.72,84.32 191.72,89.53 191.59,89.66
Net-(D27-A): length 5.4
  Top w0.3: SW27.2 172.72,87.03 D27.2
Net-(D28-A): length 5.4
  Top w0.3: D28.2 267.73,65.62 267.73,60.56
Net-(D29-A): length 5.4
  Top w0.3: 248.73,60.56 248.73,65.52 D29.2
Net-(D30-A): length 5.4
  Top w0.3: D30.2 229.73,70.42 SW30.2
Net-(D31-A): length 5.4
  Top w0.3: SW31.2 210.73,72.62 D31.2
Net-(D32-A): length 5.4
  Top w0.3: D32.2 191.73,70.42 SW32.2
Net-(D33-A): length 5.5
  Top w0.3: SW33.2 172.73,67.92 D33.2
Net-(D34-A): length 5.4
  Top w0.3: SW34.2 267.73,46.62 D34.2
Net-(D35-A): length 5.4
  Top w0.3: SW35.2 248.73,46.52 D35.2
Net-(D36-A): length 5.4
  Top w0.3: SW36.2 229.73,51.42 D36.2
Net-(D37-A): length 5.4
  Top w0.3: SW37.2 210.73,53.72 D37.2
Net-(D38-A): length 5.4
  Top w0.3: SW38.2 191.73,51.42 D38.2
Net-(D39-A): length 5.5
  Top w0.3: SW39.2 172.73,48.92 D39.2
Net-(D40-A): length 5.5
  Top w0.3: D40.2 201.23,31.82 SW40.2
Net-(D41-A): length 5.3
  Top w0.3: SW41.2 179.72,27.66 D41.2
Net-(D42-A): length 5.5
  Top w0.3: 156.94,16.78 SW42.2 159.42,18.45 D42.2
Net-(U3-+): length 73.1
  Top w0.6: 45.07,38.16 45.07,40.26 v2(45.17,40.36)
  Bottom w0.6: v2(45.17,40.36) 55.62,40.31 63.87,29.41 107.12,29.56 109.42,32.19
Net-(U5-+): length 68.6
  Top w0.2: 227.87,39.7 v2(227.82,39.76)
  Top w0.6: 227.87,38.06 227.87,39.7
  Bottom w0.6: v2(227.82,39.76) 221.72,39.76 211.85,29.89 183.82,29.89 183.56,29.63 182.81,29.63 182.55,29.89 U5.2

## Copper pours and planes (outline as drawn; the poured copper is in the pictures)
GND on Top, Bottom: -3.07,97.48 55.08,99.08 137.63,98.01 136.21,20.89 129.98,5.12 112.52,4.95 59.89,17.68 55.62,33 -1.42,33.98 -3.56,52.59
GNDA on Top, Bottom: 140.42,98.86 141.02,97.16 199.72,98.46 262.92,97.86 281.02,88.66 278.92,33.36 221.42,33.76 202.92,10.76 155.92,5.26 139.22,6.26

## Text on the board
F.Silkscreen: JLCJLCJLCJLC | ULK by GOGA_OO
